# KiCad board TM_MUX_Board_REV_B.kicad_pcb (continued)
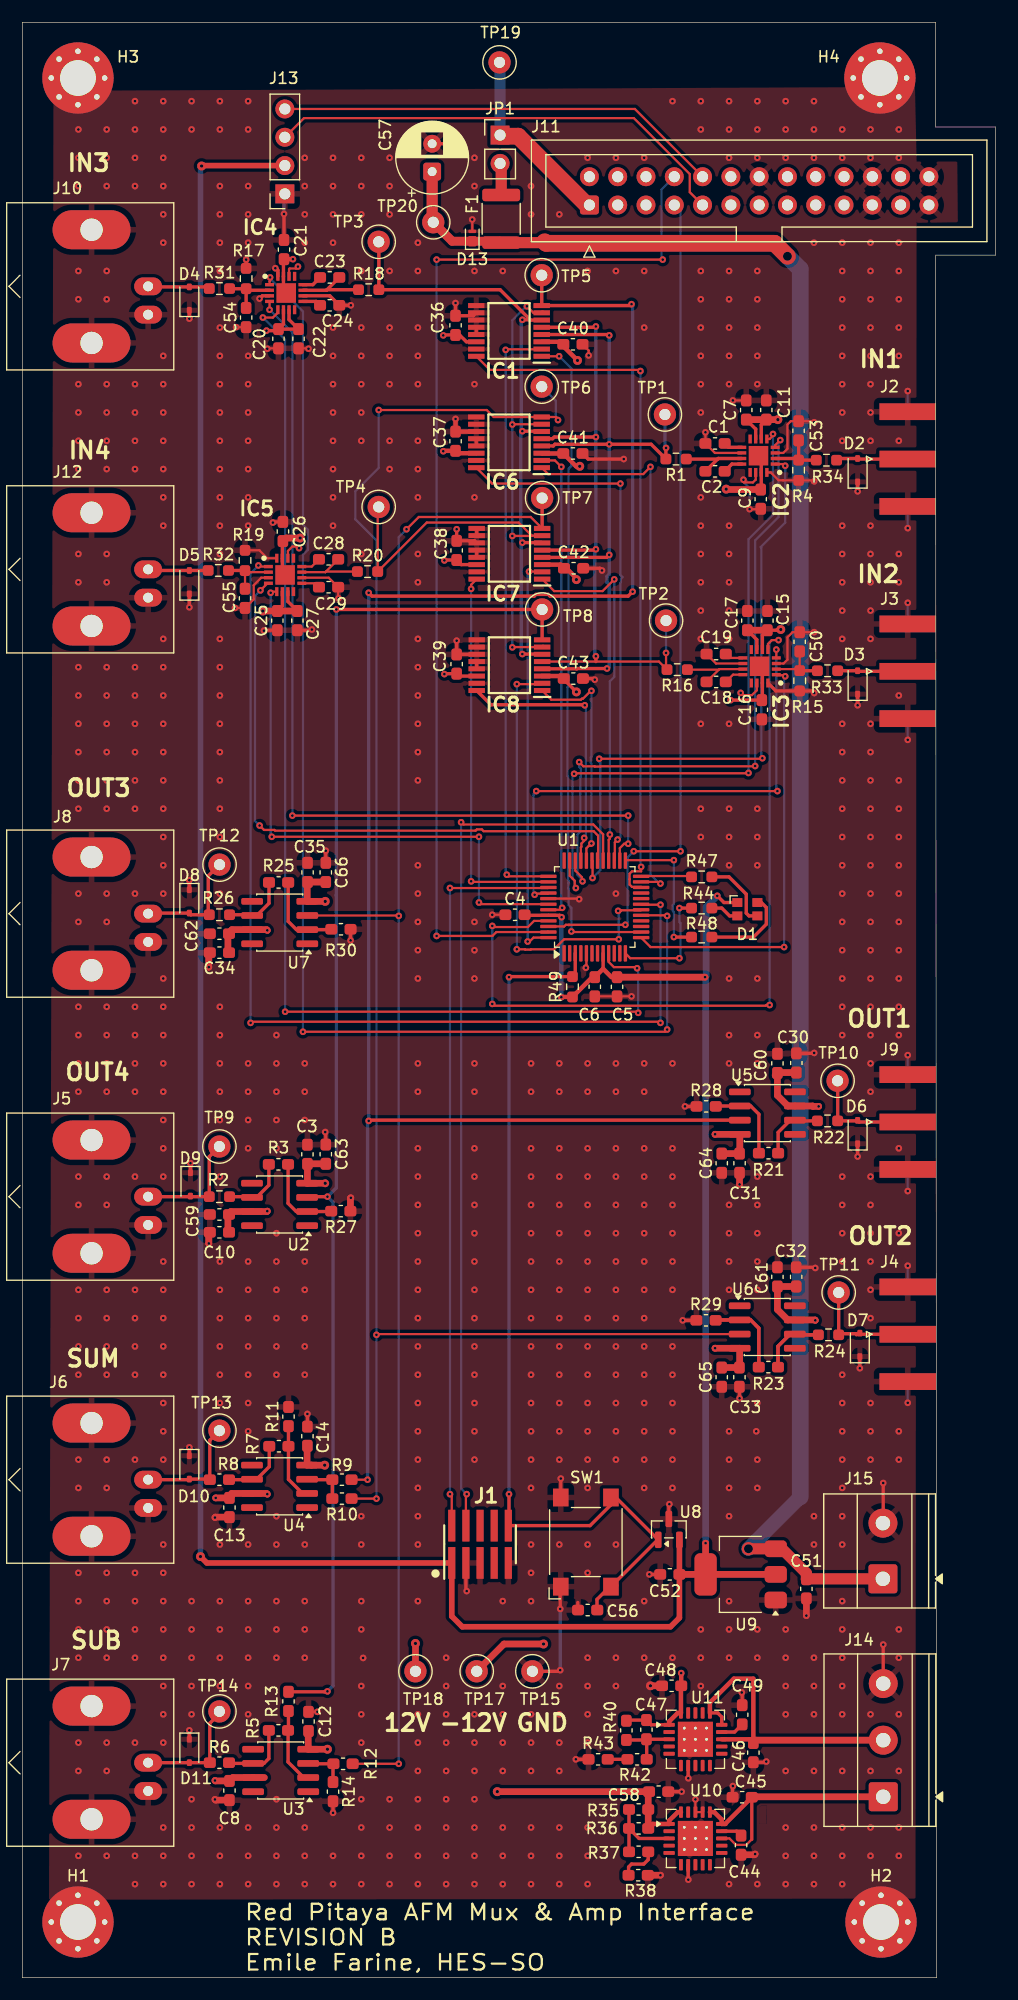
[diagram p0: board, top side]
## Footprints (pads in the part's own frame, mm; a bottom-side part is the same pattern mirrored in y, then rotated) (continued)
  rect 5.08x1.5 smd far side: 2(0,4.25) 2(0,-4.25)
SOIC-8_3.9x4.9mm_P1.27mm
  rrect 1.95x0.6 smd: 1(-2.475,1.905) 2(-2.475,0.635) 3(-2.475,-0.635) 4(-2.475,-1.905) 5(2.475,-1.905) 6(2.475,-0.635) 7(2.475,0.635) 8(2.475,1.905)
SOP65P640X120-16N
  rect 1.475x0.45 smd: 1(-2.938,2.275) 2(-2.938,1.625) 3(-2.938,0.975) 4(-2.938,0.325) 5(-2.938,-0.325) 6(-2.938,-0.975) 7(-2.938,-1.625) 8(-2.938,-2.275) 9(2.938,-2.275) 10(2.938,-1.625) 11(2.938,-0.975) 12(2.938,-0.325) 13(2.938,0.325) 14(2.938,0.975) 15(2.938,1.625) 16(2.938,2.275)
SOT-23
  rrect 1.475x0.6 smd: 1(-0.938,0.95) 2(-0.938,-0.95) 3(0.938,0)
SOT-223-3_TabPin2
  rrect 2x1.5 smd: 1(-3.15,2.3) 2(-3.15,0) 3(-3.15,-2.3)
  rrect 2x3.8 smd: 2(3.15,0)
SW_SPST_Omron_B3FS-100xP
  rect 1.6x1.4 smd: 1(-4,2.25) 1(4,2.25) 2(-4,-2.25) 2(4,-2.25)
TerminalBlock_Phoenix_MKDS-1,5-2_1x02_P5.00mm_Horizontal
  rrect 2.6x2.6 hole 1.3: 1(0,0)
  round 2.6 hole 1.3: 2(5,0)
TerminalBlock_Phoenix_MKDS-1,5-3-5.08_1x03_P5.08mm_Horizontal
  rrect 2.6x2.6 hole 1.3: 1(0,0)
  round 2.6 hole 1.3: 2(5.08,0) 3(10.16,0)
TestPoint_Loop_D1.80mm_Drill1.0mm_Beaded
  round 2 hole 1: 1(0,0)
Texas_RGW0020A_VQFN-20-1EP_5x5mm_P0.65mm_EP3.15x3.15mm_ThermalVias
  rrect 1.27x1.27 smd: (-0.79,0.79) (-0.79,-0.79) (0.79,0.79) (0.79,-0.79)
  rrect 1.025x0.35 smd: 1(-2.362,1.3) 2(-2.362,0.65) 3(-2.362,0) 4(-2.362,-0.65) 5(-2.362,-1.3) 11(2.362,-1.3) 12(2.362,-0.65) 13(2.362,0) 14(2.362,0.65) 15(2.362,1.3)
  rrect 0.35x1.025 smd: 6(-1.3,-2.362) 7(-0.65,-2.362) 8(0,-2.362) 9(0.65,-2.362) 10(1.3,-2.362) 16(1.3,2.362) 17(0.65,2.362) 18(0,2.362) 19(-0.65,2.362) 20(-1.3,2.362)
  round 0.6 hole 0.25: 21(-1,1) 21(-1,0) 21(-1,-1) 21(0,1) 21(0,0) 21(0,-1) 21(1,1) 21(1,0) 21(1,-1)
  rect 2.5x2.5 smd far side: 21(0,0)
  rect 3.15x3.15 smd: 21(0,0)

## Nets
+3.3V: C4.2 C5.2 C6.2 C52.1 D1.1 J1.1 J13.2 R49.2 U1.8 U1.44 U8.2 U9.2
+5V: C51.1 C57.1 D13.1 F1.2 J15.1 TP20.1 U9.3
+12V: C7.1 C8.2 C10.2 C11.2 C13.2 C15.2 C17.1 C20.2 C22.1 C25.2 C27.1 C30.2 C32.2 C34.2 C36.2 C37.2 C38.2 C39.2 C58.1 C59.2 C60.2 C61.2 C62.2 IC1.14 IC2.6 IC2.7 IC3.6 IC3.7 IC4.6 IC4.7 IC5.6 IC5.7 IC6.14 IC7.14 IC8.14 R35.2 R36.2 TP18.1 U2.7 U3.7 U4.7 U5.7 U6.7 U7.7 U10.1 U10.20
+15V: C45.1 J14.1 U10.13 U10.15 U10.16
-12V: C3.1 C9.1 C12.1 C14.1 C16.1 C21.1 C26.1 C31.1 C33.1 C35.1 C40.1 C41.1 C42.1 C43.1 C47.2 C48.2 C63.2 C64.2 C65.2 C66.2 IC1.3 IC2.14 IC2.15 IC2.17 IC3.14 IC3.15 IC3.17 IC4.14 IC4.15 IC4.17 IC5.14 IC5.15 IC5.17 IC6.3 IC7.3 IC8.3 R40.2 TP17.1 U2.4 U3.4 U4.4 U5.4 U6.4 U7.4 U11.1 U11.20
-15V: C46.1 J14.2 U11.13 U11.15 U11.16
GND: C1.2 C3.2 C4.1 C5.1 C6.1 C7.2 C8.1 C9.2 C10.1 C11.1 C12.2 C13.1 C14.2 C15.1 C16.2 C17.2 C19.2 C20.1 C21.2 C22.2 C24.2 C25.1 C26.2 C27.2 C29.2 C30.1 C31.2 C32.1 C33.2 C34.1 C35.2 C36.1 C37.1 C38.1 C39.1 C40.2 C41.2 C42.2 C43.2 C44.2 C45.2 C46.2 C48.1 C49.1 C50.2 C51.2 C52.2 C53.2 C54.2 C55.2 C56.2 C57.2 C58.2 C59.1 C60.1 C61.1 C62.1 C63.1 C64.1 C65.1 C66.1 D2.1 D3.1 D4.1 D5.1 D6.1 D7.1 D8.1 D9.1 D10.1 D11.1 D13.2 H1.1 H2.1 H3.1 H4.1 IC1.9 IC1.10 IC1.11 IC1.12 IC1.13 IC1.15 IC2.3 IC2.10 IC2.16 IC3.3 IC3.10 IC3.16 IC4.3 IC4.10 IC4.16 IC5.3 IC5.10 IC5.16 IC6.9 IC6.10 IC6.11 IC6.12 IC6.13 IC6.15 IC7.9 IC7.10 IC7.11 IC7.12 IC7.13 IC7.15 IC8.9 IC8.10 IC8.11 IC8.12 IC8.13 IC8.15 J1.3 J1.5 J1.9 J2.2 J3.2 J4.2 J5.2 J6.2 J7.2 J8.2 J9.2 J10.2 J11.14 J11.21 J11.22 J11.25 J11.26 J12.2 J13.1 J14.3 J15.2 R4.2 R11.2 R14.2 R15.2 R17.2 R19.2 R27.1 R28.1 R29.1 R30.1 R38.1 R43.1 SW1.1 TP15.1 U1.5 U1.41 U8.3 U9.1 U10.7 U10.17 U10.18 U10.21 U11.7 U11.21
/BufferAmp1/BUFFER_IN: IC1.8 R9.1 TP5.1 U5.3
/BufferAmp2/BUFFER_IN: IC6.8 R10.1 TP6.1 U6.3
/BufferAmp3/BUFFER_IN: IC7.8 R12.1 TP7.1 U7.3
/BufferAmp 4/BUFFER_IN: IC8.8 R13.1 TP8.1 U2.3
/I2C_SCL: J11.9 J13.3
/I2C_SDA: J11.10 J13.4
/Input_1: C53.1 IC2.2 R4.1 R34.2
/Input_2: C50.1 IC3.2 R15.1 R33.2
/Input_3: C54.1 IC4.2 R17.1 R31.2
/Input_4: C55.1 IC5.2 R19.1 R32.2
/Leds_Blue_1: U1.11
/Leds_Blue_2: R48.1 U1.25
/Leds_Green_1: U1.1
/Leds_Green_2: R47.1 U1.24
/Leds_Red_1: U1.20
/Leds_Red_2: R44.1 U1.12
/MUX1_A0: IC1.1 U1.14
/MUX1_A1: IC1.16 U1.22
/MUX1_EN: IC1.2 U1.37
/MUX2_A0: IC6.1 U1.23
/MUX2_A1: IC6.16 U1.27
/MUX2_EN: IC6.2 U1.43
/MUX3_A0: IC7.1 U1.28
/MUX3_A1: IC7.16 U1.38
/MUX3_EN: IC7.2 U1.48
/MUX4_A0: IC8.1 U1.32
/MUX4_A1: IC8.16 U1.33
/MUX4_EN: IC8.2 U1.18
/MUX_1/MUX_S1A: IC1.4 IC6.4 IC7.4 IC8.4 R1.2 TP1.1
/MUX_1/MUX_S2A: IC1.5 IC6.5 IC7.5 IC8.5 R16.2 TP2.1
/MUX_1/MUX_S3A: IC1.6 IC6.6 IC7.6 IC8.6 R18.2 TP3.1
/MUX_1/MUX_S4A: IC1.7 IC6.7 IC7.7 IC8.7 R20.2 TP4.1
/nReset: C56.1 J1.10 R49.1 SW1.2 U1.3 U8.1
/Output_1: D6.2 J9.1 R22.2 TP10.1
/Output_2: D7.2 J4.1 R24.2 TP11.1
/Output_3: D8.2 J8.1 R26.2 TP12.1
/Output_4: D9.2 J5.1 R2.2 TP9.1
/PGA1_A0: IC2.4 U1.34
/PGA1_A1: IC2.5 U1.35
/PGA1_A2: IC2.1 U1.31
/PGA2_A0: IC3.4 U1.40
/PGA2_A1: IC3.5 U1.45
/PGA2_A2: IC3.1 U1.13
/PGA3_A0: IC4.4 U1.26
/PGA3_A1: IC4.5 U1.9
/PGA3_A2: IC4.1 U1.17
/PGA4_A0: IC5.4 U1.30
/PGA4_A1: IC5.5 U1.42
/PGA4_A2: IC5.1 U1.19
/Sub_Out: D11.2 J7.1 R6.2 TP14.1
/Sum_Out: D10.2 J6.1 R8.2 TP13.1
/SWD_CLK: J1.4 U1.29
/SWD_IO: J1.2 U1.39
/UART_RX: J11.7 U1.46
/UART_TX: J11.8 U1.47
Net-(D1-BK): D1.4 R48.2
Net-(D1-GK): D1.3 R47.2
Net-(D1-RK): D1.2 R44.2
Net-(D2-A2): D2.2 J2.1 R34.1
Net-(D3-A2): D3.2 J3.1 R33.1
Net-(D4-A2): D4.2 J10.1 R31.1
Net-(D5-A2): D5.2 J12.1 R32.1
Net-(IC2-DA_IN+): C1.1 IC2.9
Net-(IC2-DA_IN-): C2.1 IC2.12
Net-(IC2-OUT): C2.2 IC2.11 R1.1
Net-(IC3-DA_IN+): C19.1 IC3.9
Net-(IC3-DA_IN-): C18.1 IC3.12
Net-(IC3-OUT): C18.2 IC3.11 R16.1
Net-(IC4-DA_IN+): C24.1 IC4.9
Net-(IC4-DA_IN-): C23.1 IC4.12
Net-(IC4-OUT): C23.2 IC4.11 R18.1
Net-(IC5-DA_IN+): C29.1 IC5.9
Net-(IC5-DA_IN-): C28.1 IC5.12
Net-(IC5-OUT): C28.2 IC5.11 R20.1
Net-(J11-Pin_1): J11.1 JP1.1 TP19.1
Net-(JP1-B): F1.1 JP1.2
Net-(R2-Pad1): R2.1 R3.2 U2.6
Net-(R5-Pad2): R5.2 R6.1 U3.6
Net-(R7-Pad2): R7.2 R8.1 U4.6
Net-(R21-Pad2): R21.2 R22.1 U5.6
Net-(R23-Pad2): R23.2 R24.1 U6.6
Net-(R25-Pad2): R25.2 R26.1 U7.6
Net-(R37-Pad1): R37.1 R38.2
Net-(R42-Pad1): R42.1 R43.2
Net-(U2--): R3.1 R27.2 U2.2
Net-(U3-+): R12.2 R14.1 U3.3
Net-(U3--): R5.1 R13.2 U3.2
Net-(U4-+): R9.2 R10.2 U4.3
Net-(U4--): R7.1 R11.1 U4.2
Net-(U5--): R21.1 R28.2 U5.2
Net-(U6--): R23.1 R29.2 U6.2
Net-(U7--): R25.1 R30.2 U7.2
Net-(U10-NR): C44.1 U10.14
Net-(U10-SENSE/FB): R35.1 R36.1 R37.2 U10.3
Net-(U11-FB): C47.1 R40.1 R42.2 U11.3
Net-(U11-NR/SS): C49.2 U11.14

Pads without a net: IC2 8 13; IC3 8 13; IC4 8 13; IC5 8 13; J1 6 7 8; J11 2 3 4 5 6 11 12 13 15 16 17 18 19 20 23 24; U1 2 4 6 7 10 15 16 21 36; U2 1 5 8; U3 1 5 8; U4 1 5 8; U5 1 5 8; U6 1 5 8; U7 1 5 8; U10 2 4 5 6 8 9 10 11 12 19; U11 2 4 5 6 8 9 10 11 12 17 18 19

## Via types
v1: diameter 0.6, hole 0.25, Top to Bottom, 1011 vias
v2: diameter 0.8, hole 0.3, Top to Bottom, 18 vias
v3: diameter 0.7, hole 0.3, Top to Bottom, 1 via
v4: diameter 1.2, hole 0.8, Top to Bottom, 2 vias

## Routing (per net, layer and track width the routed paths; a pad name or vN(x,y) marks a point on that pad's centre or on a via; arc(x,y) is an arc through that point)
+3.3V: length 286.5
  Top w0.3: 52.15,90.55 U1.8 ; 48.42,88.03 v1(48.4,88) ; v1(48.42,95.18) 48.25,95.35 U1.44 45.15,95.35 C4.2 ; C6.2 51.17,89.8 ; v1(62.4,97.1) 63,96.5 D1.1 ; v2(16.1,162.6) 16.14,162.64 ; 59,38.91 59.05,38.96 ; C5.2 52.9,89.8
  Top w0.4: 51.17,89.8 R49.2 48.42,88.03 ; C6.2 52.15,90.55 52.9,89.8
  Top w0.5: U8.2 C52.1 59,32.3 58.2,31.5 39.5,31.5 38.56,32.44 J1.1 16.58,37.22 v2(16,37.8) ; 16.14,162.64 J13.2
  Top w0.6: C52.1 U9.2 ; U9.2 v1(61.35,39) ; U9.2 U9.2 ; v1(61.3,89.8) C5.2
  Bottom w0.3: 16,162.5 v2(16.1,162.6) ; 48.4,95.09 48.41,95.1 48.41,95.17 v1(48.42,95.18) ; v1(61.3,89.8) 61.3,89.7 61.35,89.65
  Bottom w0.4: 48.4,95.09 v1(48.4,88) ; v1(61.3,89.8) 61.4,89.9
  Bottom w0.5: v2(16,37.8) 16,162.5
  Bottom w0.6: 61.4,89.9 61.4,96.1 v1(62.4,97.1) ; v1(61.35,39) 61.35,89.65
+5V: length 170.3
  Top w0.3: 67.55,38.4 U9.3 ; TP20.1 36.9,157.75 36.8,157.85 ; 70.39,35.76 C51.1
  Top w0.8: F1.2 42.88,155.85 D13.1 38.6,155.85 TP20.1 ; 46.83,155.72 46.9,155.8
  Top w1: J15.1 70.44,35.8 C51.1 70.4,36.3 68.2,38.5 U9.3 v4(65.2,38.5) ; TP20.1 36.8,157.65 C57.1 36.9,162 ; F1.2 46.83,155.72
  Top w1.5: 46.9,155.8 47.04,155.66 67.54,155.66 v4(68.7,154.5)
  Bottom w1.3: v4(65.2,38.5) 69.85,43.15
  Bottom w1.5: v4(68.7,154.5) 69.85,153.35 69.85,43.15
+12V: length 100.7
  Top w0.3: IC3.7 65.95,120.09 C17.1 ; v2(68.1,121) 67.8,121 67.74,120.94 C15.2 66.45,120.49 IC3.6 ; C11.2 66.35,139.39 IC2.6 ; v1(21.93,147.83) 22.86,147.83 C20.2 ; v1(37.9,117) 37.94,117.04 C39.2 39.21,116.82 40.8,116.82 ; 20.72,17.97 21.7,17.97 ; 40.8,126.82 39.41,126.82 C38.2 37.94,127.24 v1(37.9,127.2) ; IC1.14 39.88,146.82 39.26,147.44 C36.2 37.84,147.44 v1(37.8,147.4) ; C25.2 23.35,123.11 IC5.6 ; IC4.6 23.45,148.41 C20.2 ; IC4.7 23.95,148.81 C22.1 C20.2 ; C27.1 23.85,123.51 IC5.7 ; C7.1 65.85,138.99 IC2.7 ; 69.42,81.24 C30.2 ; 40.79,136.8 40.76,136.82 ; 69.41,62.04 C32.2 69.41,62.04
  Top w0.4: 38.86,116.82 38.84,116.8 ; v1(37.8,137) 37.84,137.04 C37.2 39.11,136.82 40.76,136.82 ; U10.20 58.85,14.86 58.08,14.09 U10.1 56.6,13.8 R36.2
  Top w0.6: v1(71.5,78.2) 71,78.2 70.97,78.24 68.75,78.24 67.8,79.18 C60.2 ; C7.1 C11.2 v2(67.84,139.84) ; v1(22,43.4) 21.94,43.47 U4.7 18.8,43.47 18.8,43.26 C13.2 v1(17.36,43.06) ; v1(71.2,59) 71.17,59.03 U6.7 68.73,59.03 67.8,59.97 C61.2 C32.2 ; C60.2 67.84,81.24 C30.2 ; C60.2 67.6,81 ; 18.46,66.9 18.46,68.5 18.73,68.76 21.97,68.76 v1(22,68.8) ; C17.1 C15.2 ; 21.73,17.97 18.9,17.97 C8.2 17.34,17.66 v1(17.3,17.7) ; 18.46,91.99 18.46,93.7 18.83,94.06 U7.7 21.94,94.06 v1(22,94) ; v2(42.65,16.7) C58.1 56.2,16.62 R35.2 R36.2 ; v2(21.6,122.66) C25.2 C27.1 ; TP18.1 v2(35.3,30)
+15V: length 24.5
  Top w0.2: 65.5,12.42 65,11.92 64.07,11.92 63.49,12.5 U10.13
  Top w0.3: 65.5,12.42 C45.1 ; 65.64,16 65.64,16.26 ; 77.26,16.2 J14.1
  Top w0.4: U10.16 62.13,14.86 62.8,14.19 U10.15 63.1,13.8 C45.1
  Top w0.6: C45.1 65.54,16.24 J14.1
-12V: length 86.7
  Top w0.2: 66.45,117.45 IC3.17 ; v1(24.75,153.58) 24.58,153.4 24,153.4 23.95,153.35 IC4.14 ; 23.35,128.89 C26.1 ; 66.45,114.71 C16.1 ; v1(64.5,115.31) 64.7,115.11 65.52,115.11 65.95,115.55 IC3.14 ; C42.1 48.75,126.5 ; IC5.14 23.85,128.05 24.25,128.45 24.7,128.45 v1(24.85,128.3)
  Top w0.3: IC4.17 23.45,151.45 IC4.15 23.45,154.19 C21.1 ; 25.58,73.01 C3.1 ; 25.7,20.53 U3.4 ; 23.35,128.89 IC5.15 23.35,126.15 IC5.17 ; 25.59,98.31 C35.1 ; IC2.17 66.35,136.35 IC2.15 66.35,133.61 C9.1 ; 66.45,114.71 IC3.15 66.45,117.45 ; 25.6,46.03 25.58,46 ; R40.2 54.3,23.12 C47.2 56.46,22.7 U11.1 ; 48.35,146.82 C40.1 48.58,146.42 ; 48.61,116.55 C43.1 48.61,116.54 v2(49.75,115.4) ; 46.7,126.8 46.68,126.82 ; 46.7,116.8 46.68,116.82 ; 25.67,22.11 C12.1 ; v1(63.6,114.66) C16.1 ; 46.66,146.8 IC1.3 46.66,146.8
  Top w0.4: v2(49.75,125.48) 49.75,125.6 48.85,126.5 C42.1 48.31,126.82 46.68,126.82 ; v1(24.3,154.24) C21.1 ; 46.68,116.82 48.39,116.82 C43.1 ; v2(50.05,135.65) 49.73,135.65 C41.1 46.66,136.8 46.64,136.82 ; 48.35,146.82 IC1.3 ; 48.58,146.42 v2(49.85,145.15) ; v1(59.16,27.34) C48.2 59.14,26.18 U11.20 58.85,23.76 58.08,22.99 U11.1
  Top w0.6: v2(24.95,129.21) 23.67,129.21 23.35,128.89 ; v2(27.15,46) 25.96,46 25.95,46 25.58,46 25.58,47.71 C14.1 ; C64.2 C31.1 64.42,73.99 64.42,75.69 62.2,75.69 v1(62.2,75.7) ; C66.2 C35.1 ; 25.67,22.11 U3.4 v2(27.4,20.5) ; C63.2 25.61,73.05 C3.1 25.6,71.33 25.58,71.31 25.58,71.3 v3(27.2,71.3) ; v2(27.2,96.6) 25.59,96.6 U7.4 25.59,98.31 ; C65.2 C33.1 64.41,54.79 U6.4 62.2,56.5 v1(62.2,56.5) ; C9.1 63.24,133.56 v2(63.2,133.6) ; v2(46.8,29.95) 43.25,29.95 TP17.1
-15V: length 28.1
  Top w0.3: U11.15 62.8,23.4 62.44,23.76 U11.16
  Top w0.4: U11.16 61.74,24.69 63.89,26.84 65.64,26.84 C46.1 65.3,21.4 U11.13
  Top w0.6: C46.1 65.89,21.32 J14.2
GND: length 186.7
  Top w0.2: U1.5 50.65,90.92 50.6,90.87 v1(50.6,90.65) ; IC2.3 68.33,136.85 68.7,137.22 68.7,139.4 69,139.7 C53.2 71,139.7 v1(71.1,139.6) ; v1(50,96.8) 49.95,96.85 U1.41 ; v1(19.2,148.14) C54.2 ; IC2.10 62.19,136.85 C1.2 v1(61.34,138.7) ; IC2.16 67.2,135.1 67.9,134.4 68.3,134.4 68.31,134.39 R4.2 71.01,134.39 v1(71.1,134.3) ; v1(22,146.2) 22.04,146.24 C20.1 ; U10.17 U10.18 v1(60.44,16) ; v1(64.75,134.45) 64.75,134.25 64.8,134.2 65.6,134.2 65.85,134.45 65.85,135.1 ; v1(54.7,88.07) C5.1 C6.1 ; v1(63.8,141.56) C7.2 ; C19.2 62.29,117.95 IC3.10 ; IC5.16 22,127.4 21.29,128.11 R19.2 ; IC3.3 68.35,117.95 68.7,118.3 68.7,120.3 69.16,120.76 C50.2 v1(71.1,120.76) ; IC5.10 27.51,125.65 C29.2 28.36,123.84 v1(28.4,123.8) ; v1(19.1,122.94) C55.2 20.78,123.71 20.78,124.98 21.45,125.65 IC5.3 ; D13.2 v1(40.4,157.8) ; C4.1 v1(42.2,95.4) ; v1(26.5,23.86) C12.2 ; v1(50.85,145.6) 50.85,146.05 C40.2 ; v1(25.7,146.2) 25.66,146.24 C22.2 ; C9.2 66.26,131.8 v1(65.3,131.8)
  Top w0.3: 48.35,33.15 v1(48.3,33.1) 48.3,35.05 SW1.1 ; C27.2 25.94,120.94 v1(26,121) ; D3.1 v1(75,114.2) ; 59.79,9.63 U10.7 59.79,8.81 v1(59.8,8.8) ; C58.2 v1(59.2,16.7) ; C41.2 50.8,136.3 v1(54,136.3) ; 49.88,33 49.88,33.68 ; IC4.16 22.95,153.25 22.77,153.43 v1(22.72,153.43) ; U8.3 58.05,42.45 v1(58.1,42.5) ; v1(64.6,25.6) 64.64,25.56 C49.1 ; C42.2 51.85,126.5 v1(52.05,126.3) ; v1(15,22.2) D11.1 ; v1(77.3,44.4) 77.3,40.83 J15.2 ; D2.1 v1(75,133.4) ; D9.1 v1(15.1,73.1) ; v1(48.3,27.6) 48.2,27.5 TP15.1 ; v1(21.7,120.9) 21.74,120.94 C25.1 ; v1(39.9,34.7) 39.83,34.77 39.83,37.7 ; C21.2 v1(23.5,158.3) ; C33.2 64.39,52.01 v1(64.4,52) ; v1(71.1,83) 71.06,82.96 C30.1 ; v1(27.9,14.8) R14.2 ; IC3.16 67.66,115.49 R15.2 70.91,115.49 v1(71.1,115.3) ; v1(39,130) C38.1 40.61,128.96 IC7.11 ; IC7.11 40.78,128.8 IC7.11 ; IC4.10 27.61,150.95 C24.2 v1(29.5,150.1) ; v1(22.5,130.6) 22.56,130.66 C26.2 ; C63.1 27.25,75.85 v1(27.2,75.9) ; v1(38.9,150.3) C36.1 40.5,149.16 IC1.10 ; C46.2 66.74,19.34 v1(66.8,19.4) ; C14.2 v1(25.6,50.6) ; D5.1 v1(15,123) ; R28.1 v1(59.5,78.2) ; v1(29.47,93.1) R30.1 ; D7.1 v1(75.2,54.7) ; D8.1 v1(15,98.5) ; R43.1 v1(49.7,19.6) ; v1(39,120) C39.1 39.01,118.78 IC8.11 ; v1(77.3,29.9) J14.3 ; IC6.13 40.76,138.12 ; R17.2 v1(20.1,154.2) ; v1(71.2,63.7) 71.14,63.76 C32.1 ; IC8.11 40.78,118.8 IC8.11 ; IC8.13 IC8.12 ; D10.1 v1(15,47.6) ; v1(21.3,150.7) 21.55,150.95 IC4.3 ; v1(59.8,17.9) 59.79,17.91 U11.7 ; IC1.13 IC1.12 ; v1(63.8,17.2) 63.78,17.18 C45.2 ; C52.2 v1(56.3,36.2) ; C57.2 v1(38.8,164.6) ; D6.1 v1(75,73.7) ; v1(27.25,101.15) C66.1 ; v1(51.4,116.5) 51.3,116.6 C43.2 ; v1(48.35,44.8) SW1.1 ; D4.1 v1(15,148.9) ; IC7.13 IC7.12 ; v1(59.3,59) R29.1 ; IC7.9 IC7.10 ; 40.74,138.8 IC6.11 40.74,138.8 ; 40.74,148.8 40.76,148.78 40.74,148.8
  Top w0.4: IC6.11 40.75,138.76 C37.1 v1(38.9,139.9)
  Top w0.6: C51.2 v1(70.4,32.5) ; 16.74,91.99 16.74,90.71 v1(16.75,90.7) ; 16.74,66.9 16.74,65.91 v1(16.75,65.9) ; v1(17.3,41.3) 17.34,41.34 C13.1 ; R38.1 v1(57.3,9.2) ; v1(29.5,70) 29.46,69.96 R27.1 ; C8.1 17.36,15.94 v1(17.3,16) ; C48.1 v2(56.4,26.2) ; C44.2 65.74,11.04 v1(65.8,11.1) ; C31.2 v1(64.4,71.2)
  Bottom w0.2: J4.2 v1(79.5,51.6) ; v1(79.5,111.1) J3.2 ; v1(64.75,134.45) 64.75,134.25 65.3,133.7 v1(65.3,131.8) ; J9.2 v1(79.5,82.8) ; J3.2 v1(79.5,123.4) ; v1(79.5,63.9) J4.2 ; v1(79.5,70.6) J9.2 ; J2.2 v1(79.5,130.1) ; J2.2 v1(79.5,142.4)
  Bottom w0.3: v1(48.3,33.1) v1(48.3,27.6) ; J13.1 23.5,160.03 v1(23.5,158.3)
  vias: v1(5.04,165.88) v1(5.04,163.34) v1(5.04,160.8) v1(5.04,153.18) v1(5.04,150.64) v1(5.04,143.02) v1(5.04,140.48) v1(5.04,137.94) v1(5.04,135.4) v1(5.04,127.78) v1(5.04,125.24) v1(5.04,117.62) v1(5.04,115.08) v1(5.04,112.54) v1(5.04,110) v1(5.04,107.46) v1(5.04,104.92) v1(5.04,97.3) v1(5.04,94.76) v1(5.04,87.14) v1(5.04,84.6) v1(5.04,82.06) v1(5.04,79.52) v1(5.04,71.9) v1(5.04,69.36) v1(5.04,61.74) v1(5.04,59.2) v1(5.04,56.66) v1(5.04,54.12) v1(5.04,46.5) v1(5.04,43.96) v1(5.04,36.34) v1(5.04,33.8) v1(5.04,31.26) v1(5.04,28.72) v1(5.04,21.1) v1(5.04,18.56) v1(5.04,10.94) v1(7.58,165.88) v1(7.58,163.34) v1(7.58,160.8) v1(7.58,153.18) v1(7.58,150.64) v1(7.58,143.02) v1(7.58,140.48) v1(7.58,137.94) v1(7.58,135.4) v1(7.58,127.78) v1(7.58,125.24) v1(7.58,117.62) v1(7.58,115.08) v1(7.58,112.54) v1(7.58,110) v1(7.58,107.46) v1(7.58,104.92) v1(7.58,97.3) v1(7.58,94.76) v1(7.58,87.14) v1(7.58,84.6) v1(7.58,82.06) v1(7.58,79.52) v1(7.58,71.9) v1(7.58,69.36) v1(7.58,61.74) v1(7.58,59.2) v1(7.58,56.66) v1(7.58,54.12) v1(7.58,46.5) v1(7.58,43.96) v1(7.58,36.34) v1(7.58,33.8) v1(7.58,31.26) v1(7.58,28.72) v1(7.58,21.1) v1(7.58,18.56) v1(7.58,10.94) v1(10.12,168.42) v1(10.12,165.88) v1(10.12,163.34) v1(10.12,160.8) v1(10.12,143.02) v1(10.12,140.48) v1(10.12,137.94) v1(10.12,135.4) v1(10.12,117.62) v1(10.12,115.08) v1(10.12,112.54) v1(10.12,110) v1(10.12,107.46) v1(10.12,104.92) v1(10.12,97.3) v1(10.12,87.14) v1(10.12,84.6) v1(10.12,82.06) v1(10.12,79.52) v1(10.12,71.9) v1(10.12,61.74) v1(10.12,59.2) v1(10.12,56.66) v1(10.12,54.12) v1(10.12,46.5) v1(10.12,36.34) v1(10.12,33.8) v1(10.12,31.26) v1(10.12,28.72) v1(10.12,21.1) v1(10.12,10.94) v1(10.12,8.4) v1(12.66,168.42) v1(12.66,165.88) v1(12.66,163.34) v1(12.66,160.8) v1(12.66,158.26) v1(12.66,155.72) v1(12.66,145.56) v1(12.66,143.02) v1(12.66,140.48) v1(12.66,137.94) v1(12.66,135.4) v1(12.66,132.86) v1(12.66,130.32) v1(12.66,120.16) v1(12.66,117.62) v1(12.66,115.08) v1(12.66,112.54) v1(12.66,110) v1(12.66,107.46) v1(12.66,104.92) v1(12.66,102.38) v1(12.66,99.84) v1(12.66,97.3) v1(12.66,89.68) v1(12.66,87.14) v1(12.66,84.6) v1(12.66,82.06) v1(12.66,79.52) v1(12.66,76.98) v1(12.66,74.44) v1(12.66,71.9) v1(12.66,64.28) v1(12.66,61.74) v1(12.66,59.2) v1(12.66,56.66) v1(12.66,54.12) v1(12.66,51.58) v1(12.66,49.04) v1(12.66,46.5) v1(12.66,38.88) v1(12.66,36.34) v1(12.66,33.8) v1(12.66,31.26) v1(12.66,28.72) v1(12.66,26.18) v1(12.66,23.64) v1(12.66,21.1) v1(12.66,13.48) v1(12.66,10.94) v1(12.66,8.4) v1(15.2,168.42) v1(15.2,165.88) v1(15.2,33.8) v1(15.2,31.26) v1(15.2,28.72) v1(15.2,26.18) v1(15.2,23.64) v1(15.2,16.02) v1(15.2,13.48) v1(15.2,10.94) v1(15.2,8.4) v1(17.74,168.42) v1(17.74,165.88) v1(17.74,160.8) v1(17.74,158.26) v1(17.74,155.72) v1(17.74,153.18) v1(17.74,148.1) v1(17.74,145.56) v1(17.74,143.02) v1(17.74,140.48) v1(17.74,137.94) v1(17.74,135.4) v1(17.74,132.86) v1(17.74,130.32) v1(17.74,127.78) v1(17.74,120.16) v1(17.74,117.62) v1(17.74,115.08) v1(17.74,112.54) v1(17.74,110) v1(17.74,107.46) v1(17.74,104.92) v1(17.74,102.38) v1(17.74,97.3) v1(17.74,87.14) v1(17.74,84.6) v1(17.74,82.06) v1(17.74,79.52) v1(17.74,76.98) v1(17.74,71.9) v1(17.74,64.28) v1(17.74,61.74) v1(17.74,59.2) v1(17.74,56.66) v1(17.74,54.12) v1(17.74,51.58) v1(17.74,38.88) v1(17.74,33.8) v1(17.74,31.26) v1(17.74,28.72) v1(17.74,26.18) v1(17.74,13.48) v1(17.74,10.94) v1(17.74,8.4) v1(20.28,168.42) v1(20.28,165.88) v1(20.28,160.8) v1(20.28,158.26) v1(20.28,155.72) v1(20.28,145.56) v1(20.28,143.02) v1(20.28,140.48) v1(20.28,137.94) v1(20.28,135.4) v1(20.28,132.86) v1(20.28,130.32) v1(20.28,82.06) v1(20.28,79.52) v1(20.28,76.98) v1(20.28,74.44) v1(20.28,64.28) v1(20.28,61.74) v1(20.28,59.2) v1(20.28,56.66) v1(20.28,54.12) v1(20.28,51.58) v1(20.28,49.04) v1(20.28,38.88) v1(20.28,33.8) v1(20.28,31.26) v1(20.28,28.72) v1(20.28,26.18) v1(20.28,23.64) v1(20.28,13.48) v1(20.28,10.94) v1(20.28,8.4) v1(22.82,84.6) v1(22.82,82.06) v1(22.82,79.52) v1(22.82,76.98) v1(22.82,74.44) v1(22.82,66.82) v1(22.82,64.28) v1(22.82,61.74) v1(22.82,59.2) v1(22.82,56.66) v1(22.82,54.12) v1(22.82,41.42) v1(22.82,38.88) v1(22.82,33.8) v1(22.82,31.26) v1(22.82,28.72) v1(22.82,16.02) v1(22.82,13.48) v1(22.82,10.94) v1(22.82,8.4) v1(25.36,163.34) v1(25.36,160.8) v1(25.36,158.26) v1(25.36,155.72) v1(25.36,82.06) v1(25.36,79.52) v1(25.36,76.98) v1(25.36,64.28) v1(25.36,61.74) v1(25.36,59.2) v1(25.36,56.66) v1(25.36,54.12) v1(25.36,38.88) v1(25.36,33.8) v1(25.36,31.26) v1(25.36,28.72) v1(25.36,13.48) v1(25.36,10.94) v1(25.36,8.4) v1(27.9,163.34) v1(27.9,160.8) v1(27.9,158.26) v1(27.9,155.72) v1(27.9,148.1) v1(27.9,145.56) v1(27.9,143.02) v1(27.9,140.48) v1(27.9,137.94) v1(27.9,135.4) v1(27.9,132.86) v1(27.9,130.32) v1(27.9,10.94) v1(27.9,8.4) v1(30.44,163.34) v1(30.44,160.8) v1(30.44,158.26) v1(30.44,153.18) v1(30.44,148.1) v1(30.44,145.56) v1(30.44,143.02) v1(30.44,140.48) v1(30.44,137.94) v1(30.44,127.78) v1(30.44,41.42) v1(30.44,38.88) v1(30.44,33.8) v1(30.44,31.26) v1(30.44,26.18) v1(30.44,23.64) v1(30.44,21.1) v1(30.44,16.02) v1(30.44,13.48) v1(30.44,10.94) v1(30.44,8.4) v1(30.6,28.7) v1(32.98,163.34) v1(32.98,160.8) v1(32.98,158.26) v1(32.98,153.18) v1(32.98,148.1) v1(32.98,145.56) v1(32.98,143.02) v1(32.98,137.94) v1(32.98,135.4) v1(32.98,16.02) v1(32.98,13.48) v1(32.98,10.94) v1(32.98,8.4) v1(35.52,155.72) v1(35.52,153.18) v1(35.52,148.1) v1(35.52,145.56) v1(35.52,143.02) v1(35.52,137.94) v1(35.52,135.4) v1(35.52,132.86) v1(35.52,127.78) v1(35.52,125.24) v1(35.52,120.16) v1(35.52,117.62) v1(35.52,115.08) v1(35.52,112.54) v1(35.52,110) v1(35.52,107.46) v1(35.52,99.84) v1(35.52,97.3) v1(35.52,94.76) v1(35.52,92.22) v1(35.52,89.68) v1(35.52,82.06) v1(35.52,79.52) v1(35.52,74.44) v1(35.52,71.9) v1(35.52,69.36) v1(35.52,66.82) v1(35.52,64.28) v1(35.52,61.74) v1(35.52,59.2) v1(35.52,56.66) v1(35.52,54.12) v1(35.52,51.58) v1(35.52,49.04) v1(35.52,46.5) v1(35.52,43.96) v1(35.52,41.42) v1(35.52,38.88) v1(35.52,33.8) v1(35.52,23.64) v1(35.52,21.1) v1(35.52,18.56) v1(35.52,16.02) v1(35.52,13.48) v1(35.52,10.94) v1(35.52,8.4) v1(38.06,28.72) v1(38.06,26.18) v1(38.06,23.64) v1(38.06,21.1) v1(38.06,18.56) v1(38.06,16.02) v1(38.06,13.48) v1(38.06,10.94) v1(38.06,8.4) v1(40.6,163.34) v1(40.6,160.8) v1(40.6,153.18) v1(40.6,143.02) v1(40.6,132.86) v1(40.6,94.76) v1(40.6,92.22) v1(40.6,89.68) v1(40.6,82.06) v1(40.6,79.52) v1(40.6,74.44) v1(40.6,71.9) v1(40.6,69.36) v1(40.6,66.82) v1(40.6,64.28) v1(40.6,61.74) v1(40.6,59.2) v1(40.6,56.66) v1(40.6,54.12) v1(40.6,51.58) v1(40.6,49.04) v1(40.6,46.5) v1(40.6,23.64) v1(40.6,21.1) v1(40.6,18.56) v1(40.6,16.02) v1(40.6,13.48) v1(40.6,10.94) v1(40.6,8.4) v1(43.14,153.18) v1(43.14,33.8) v1(43.14,26.18) v1(43.14,23.64) v1(43.14,21.1) v1(43.14,18.56) v1(43.14,13.48) v1(43.14,10.94) v1(43.14,8.4) v1(45.68,160.8) v1(45.68,158.26) v1(45.68,82.06) v1(45.68,79.52) v1(45.68,74.44) v1(45.68,71.9) v1(45.68,69.36) v1(45.68,66.82) v1(45.68,64.28) v1(45.68,61.74) v1(45.68,59.2) v1(45.68,56.66) v1(45.68,54.12) v1(45.68,51.58) v1(45.68,49.04) v1(45.68,46.5) v1(45.68,43.96) v1(45.68,38.88) v1(45.68,36.34) v1(45.68,33.8) v1(45.68,23.64) v1(45.68,21.1) v1(45.68,18.56) v1(45.68,13.48) v1(45.68,10.94) v1(45.68,8.4) v1(48.22,158.26) v1(48.22,82.06) v1(48.22,79.52) v1(48.22,74.44) v1(48.22,71.9) v1(48.22,69.36) v1(48.22,66.82) v1(48.22,64.28) v1(48.22,61.74) v1(48.22,59.2) v1(48.22,56.66) v1(48.22,54.12) v1(48.22,51.58) v1(48.22,49.04) v1(48.22,46.5) v1(48.22,38.88) v1(48.22,26.18) v1(48.22,23.64) v1(48.22,21.1) v1(48.22,18.56) v1(48.22,13.48) v1(48.22,10.94) v1(48.22,8.4) v1(50.76,163.34) v1(50.76,153.18) v1(50.76,82.06) v1(50.76,79.52) v1(50.76,74.44) v1(50.76,71.9) v1(50.76,69.36) v1(50.76,66.82) v1(50.76,64.28) v1(50.76,61.74) v1(50.76,59.2) v1(50.76,56.66) v1(50.76,54.12) v1(50.76,51.58) v1(50.76,49.04) v1(50.76,46.5) v1(50.76,43.96) v1(50.76,38.88) v1(50.76,36.34) v1(50.76,28.72) v1(50.76,26.18) v1(50.76,23.64) v1(50.76,21.1) v1(50.76,13.48) v1(50.76,10.94) v1(50.76,8.4) v1(53.3,163.34) v1(53.3,153.18) v1(53.3,97.3) v1(53.3,82.06) v1(53.3,79.52) v1(53.3,74.44) v1(53.3,71.9) v1(53.3,69.36) v1(53.3,66.82) v1(53.3,64.28) v1(53.3,61.74) v1(53.3,59.2) v1(53.3,56.66) v1(53.3,54.12) v1(53.3,51.58) v1(53.3,49.04) v1(53.3,46.5) v1(53.3,38.88) v1(53.3,28.72) v1(53.3,26.18) v1(55.84,163.34) v1(55.84,153.18) v1(55.84,148.1) v1(55.84,82.06) v1(55.84,79.52) v1(55.84,74.44) v1(55.84,71.9) v1(55.84,69.36) v1(55.84,66.82) v1(55.84,64.28) v1(55.84,61.74) v1(55.84,59.2) v1(55.84,56.66) v1(55.84,54.12) v1(55.84,51.58) v1(55.84,49.04) v1(55.84,46.5) v1(55.84,43.96) v1(55.84,33.8) v1(55.84,28.72) v1(58.38,168.42) v1(58.38,82.06) v1(58.38,74.44) v1(58.38,71.9) v1(58.38,69.36) v1(58.38,66.82) v1(58.38,64.28) v1(58.38,61.74) v1(58.38,56.66) v1(58.38,54.12) v1(58.38,51.58) v1(58.38,49.04) v1(58.38,46.5) v1(58.38,43.96) v1(58.38,28.72) v1(60.92,168.42) v1(60.92,165.88) v1(60.92,153.18) v1(60.92,150.64) v1(60.92,148.1) v1(60.92,145.56) v1(60.92,143.02) v1(60.92,140.48) v1(60.92,132.86) v1(60.92,130.32) v1(60.92,127.78) v1(60.92,125.24) v1(60.92,122.7) v1(60.92,120.16) v1(60.92,112.54) v1(60.92,104.92) v1(60.92,102.38) v1(60.92,31.26) v1(60.92,28.72) v1(60.92,26.18) v1(63.46,168.42) v1(63.46,165.88) v1(63.46,163.34) v1(63.46,153.18) v1(63.46,150.64) v1(63.46,148.1) v1(63.46,145.56) v1(63.46,143.02) v1(63.46,130.32) v1(63.46,127.78) v1(63.46,125.24) v1(63.46,122.7) v1(63.46,120.16) v1(63.46,112.54) v1(63.46,104.92) v1(63.46,102.38) v1(63.46,99.84) v1(63.46,89.68) v1(63.46,84.6) v1(63.46,82.06) v1(63.46,69.36) v1(63.46,66.82) v1(63.46,64.28) v1(63.46,61.74) v1(63.46,49.04) v1(63.46,46.5) v1(63.46,43.96) v1(63.46,41.42) v1(63.46,33.8) v1(63.46,31.26) v1(63.46,28.72) v1(63.46,8.4) v1(65.9,49.04) v1(66,168.42) v1(66,165.88) v1(66,163.34) v1(66,153.18) v1(66,150.64) v1(66,148.1) v1(66,145.56) v1(66,143.02) v1(66,104.92) v1(66,102.38) v1(66,99.84) v1(66,89.68) v1(66,84.6) v1(66,82.06) v1(66,71.9) v1(66,69.36) v1(66,66.82) v1(66,64.28) v1(66,61.74) v1(66,51.58) v1(66,46.5) v1(66,43.96) v1(66,31.26) v1(66,28.72) v1(66,8.4) v1(68.54,168.42) v1(68.54,165.88) v1(68.54,163.34) v1(68.54,31.26) v1(68.54,28.72) v1(68.54,26.18) v1(68.54,23.64) v1(68.54,18.56) v1(68.54,13.48) v1(68.54,10.94) v1(68.54,8.4) v1(71.08,168.42) v1(71.08,165.88) v1(71.08,163.34) v1(71.08,155.72) v1(71.08,41.42) v1(71.08,38.88) v1(71.08,28.72) v1(71.08,26.18) v1(71.08,23.64) v1(71.08,18.56) v1(71.08,13.48) v1(71.08,10.94) v1(71.08,8.4) v1(73.62,165.88) v1(73.62,163.34) v1(73.62,155.72) v1(73.62,153.18) v1(73.62,150.64) v1(73.62,148.1) v1(73.62,145.56) v1(73.62,143.02) v1(73.62,140.48) v1(73.62,137.94) v1(73.62,130.32) v1(73.62,127.78) v1(73.62,125.24) v1(73.62,122.7) v1(73.62,120.16) v1(73.62,112.54) v1(73.62,110) v1(73.62,107.46) v1(73.62,104.92) v1(73.62,102.38) v1(73.62,99.84) v1(73.62,97.3) v1(73.62,94.76) v1(73.62,92.22) v1(73.62,89.68) v1(73.62,87.14) v1(73.62,84.6) v1(73.62,71.9) v1(73.62,69.36) v1(73.62,66.82) v1(73.62,64.28) v1(73.62,54.12) v1(73.62,51.58) v1(73.62,49.04) v1(73.62,46.5) v1(73.62,43.96) v1(73.62,41.42) v1(73.62,38.88) v1(73.62,33.8) v1(73.62,31.26) v1(73.62,28.72) v1(73.62,26.18) v1(73.62,23.64) v1(73.62,18.56) v1(73.62,13.48) v1(73.62,10.94) v1(73.62,8.4) v1(76.16,165.88) v1(76.16,163.34) v1(76.16,155.72) v1(76.16,153.18) v1(76.16,150.64) v1(76.16,148.1) v1(76.16,145.56) v1(76.16,143.02) v1(76.16,140.48) v1(76.16,137.94) v1(76.16,130.32) v1(76.16,127.78) v1(76.16,125.24) v1(76.16,122.7) v1(76.16,120.16) v1(76.16,112.54) v1(76.16,110) v1(76.16,107.46) v1(76.16,104.92) v1(76.16,102.38) v1(76.16,99.84) v1(76.16,97.3) v1(76.16,94.76) v1(76.16,92.22) v1(76.16,89.68) v1(76.16,87.14) v1(76.16,84.6) v1(76.16,82.06) v1(76.16,79.52) v1(76.16,71.9) v1(76.16,69.36) v1(76.16,66.82) v1(76.16,64.28) v1(76.16,61.74) v1(76.16,59.2) v1(76.16,51.58) v1(76.16,49.04) v1(76.16,46.5) v1(76.16,23.64) v1(76.16,18.56) v1(76.16,13.48) v1(76.16,10.94) v1(78.7,165.88) v1(78.7,163.34) v1(78.7,155.72) v1(78.7,153.18) v1(78.7,150.64) v1(78.7,148.1) v1(78.7,145.56) v1(78.7,137.94) v1(78.7,127.78) v1(78.7,125.24) v1(78.7,115.08) v1(78.7,107.46) v1(78.7,104.92) v1(78.7,102.38) v1(78.7,99.84) v1(78.7,97.3) v1(78.7,94.76) v1(78.7,92.22) v1(78.7,89.68) v1(78.7,87.14) v1(78.7,84.6) v1(78.7,74.44) v1(78.7,66.82) v1(78.7,49.04) v1(78.7,46.5) v1(78.7,31.26) v1(78.7,28.72) v1(78.7,23.64) v1(78.7,18.56) v1(78.7,13.48) v1(78.7,10.94)
/BufferAmp1/BUFFER_IN: length 175.2
  Top w0.2: v1(54.7,150.2) 54.58,150.07 ; R9.1 v1(31,44.7) ; v1(31.1,76.9) 31.17,76.97
  Top w0.3: 54.58,150.07 IC1.8 TP5.1 ; v1(54.8,124.4) 54.4,124 47.39,124 47.24,124.15 46.12,124.15 45.97,124 31.4,124 v1(31.1,124.3) ; 31.17,76.97 64.42,76.97
  Bottom w0.2: 31,76.8 v1(31.1,76.9) ; 54.8,150.1 v1(54.7,150.2)
  Bottom w0.3: v1(31.1,76.9) v1(31.1,124.3) ; v1(31,44.7) 31,76.8 ; v1(54.8,124.4) 54.8,150.1
/BufferAmp2/BUFFER_IN: length 154.4
  Top w0.2: 64.41,57.76 31.86,57.76 v1(31.8,57.7) ; R10.1 v1(31.8,43) ; v1(48.1,139.8) 48.1,139.9 47.92,140.07 IC6.8 42.33,140.07 41.7,140.7 v1(32,140.7)
  Bottom w0.2: v1(32,140.7) 32,135.5 29.9,133.4 29.9,130.9 31.8,129 v1(31.8,57.7) v1(31.8,43) ; v1(48.1,139.8) 48.1,139.9 47.9,140.1 47.9,141.54 TP6.1
/BufferAmp3/BUFFER_IN: length 139.2
  Top w0.2: v1(34.5,130) 35.6,131.1 45.65,131.1 IC7.8 ; v1(33.8,19.2) R12.1 ; v1(33.8,95.3) 33.77,95.34 25.59,95.34
  Top w0.3: TP7.1 IC7.8
  Bottom w0.2: v1(33.8,19.2) v1(33.8,95.3) 33.8,129.3 v1(34.5,130)
/BufferAmp 4/BUFFER_IN: length 124.4
  Top w0.3: R13.1 27.16,25.66 27.2,25.7 v1(27.4,25.7) ; 25.58,70.03 25.64,70.1 v1(27.4,70.1) ; v1(28.2,122.8) TP8.1 IC8.8
  Bottom w0.3: v1(27.4,25.7) 27.9,26.2 27.9,69.6 v1(27.4,70.1) 28.2,70.9 28.2,95.65 28.19,95.65 28.2,95.66 28.2,97.14 28.19,97.15 28.2,97.15 v1(28.2,122.8)
/I2C_SCL: length 42.4
  Top w0.2: J13.3 25.3,166.9 54.91,166.9 59.93,161.88 59.93,160.25 J11.9
